# Allegro board gps_interface_boardv45ph.brd (continued)
## Routing (per net, layer and track width the routed paths; a pad name or vN(x,y) marks a point on that pad's centre or on a via; arc(x,y) is an arc through that point) (continued)
FMC.FPGA_CLK_GEN_RST*: length 57.8
  TOP w0.203: U18.5 105.79,22.94 108.86,19.86 119,19.86 123.27,15.6 123.27,9.58 125.81,7.04 142.16,7.04 144.07,5.13 144.98,5.13 145.41,5.56 v1(145.41,6.06)
  BOTTOM w0.33: J8.C26 v1(145.41,6.06)
FMC.FPGA_GPS_CLK_EN*: length 85.9
  TOP w0.203: U18.4 v1(105.14,20.24)
  SIG w0.203: v1(105.14,20.24) 105.14,14.14 107.34,11.94 107.34,4.98 110.21,2.11 152.63,2.11 157.23,6.71 163.82,6.71 v1(164.47,6.06)
  BOTTOM w0.33: J8.C11 v1(164.47,6.06)
FMC.FPGA_I2C_EXT_INT0*: length 72
  TOP w0.203: U17.13 114.58,27.33 114.22,26.97 114.22,25.83 v1(114.76,25.3)
  SIG w0.203: v1(160.66,9.18) 160.67,9.18 161.42,9.93 161.42,10.72 160.91,11.23 160.91,11.73 160.32,12.32 153.85,12.32 153.64,12.12 153.64,10.29 154.18,9.75 154.18,8.61 153.59,8.03 138.3,8.03 137.52,7.24 135.74,7.24 134.65,8.33 127.15,8.33 121.41,14.07 121.41,23.02 119.13,25.3 v1(114.76,25.3)
  BOTTOM w0.33: J8.D14 v1(160.66,9.18)
FMC.FPGA_I2C_EXT_INT1*: length 69.4
  TOP w0.203: U17.12 113.93,27.6 113.31,26.98 v1(113.31,25.3)
  SIG w0.203: v1(113.31,25.3) 113.31,25.12 114.4,24.03 118.61,24.03 120.4,22.24 120.4,14.33 126.77,7.95 134.49,7.95 135.64,6.81 137.67,6.81 138.48,7.62 153.72,7.62 154.58,8.48 154.58,9.22 157.28,11.91 159.82,11.91 160.12,11.61 160.12,10.79 159.38,10.06 v1(159.38,9.18)
  BOTTOM w0.33: 159.38,8.26 v1(159.38,9.18)
FMC.FPGA_I2C_EXT_RST*: length 74.1
  TOP w0.203: U18.6 106.44,23.74 v1(108,22.17)
  SIG w0.203: v1(155.57,6.06) 152.24,2.72 111.84,2.72 108,6.55 v1(108,22.17)
  BOTTOM w0.33: J8.C18 v1(155.57,6.06)
FMC.FPGA_I2C_SW_RST*: length 67.9
  TOP w0.203: v1(108.69,25.5) 107.29,25.5 107.09,25.7 U18.7
  SIG w0.203: v1(156.84,9.18) 156.84,8.18 156.34,7.67 155.45,7.67 154.99,7.21 138.66,7.21 137.87,6.43 135.46,6.43 134.34,7.54 126.36,7.54 119.76,14.15 119.76,17.53 119.81,17.58 119.81,22 118.36,23.44 113.13,23.44 111.07,25.5 v1(108.69,25.5)
  BOTTOM w0.33: J8.D17 v1(156.84,9.18)
FMC.FPGA_IO_VOLTAGE: length 26.7
  TOP w0.17: v1(70.31,-18.97) 70.31,-19.56 70.28,-19.59 R78.1
  TOP w0.203: v1(70.31,-18.97) 70.31,-15.7 69.68,-15.07 Q11.1 ; R78.1 71.11,-20.07 71.6,-19.58 72.67,-19.58 72.98,-19.9 U15.1 U15.6
  TOP w0.305: 127.64,15.82 129.07,17.26 C105.1 129.07,21.04 129.06,21.05 C107.1 C106.1
  TOP w0.33: v1(127.64,14.26) 127.64,15.82
  BOTTOM w0.33: v1(128.91,11.14) J8.G39 J8.H40 v1(127.64,14.26)
FMC.GPS_CLK_COPY_N: length 277.1
  TOP w0.203: U1.9 79.84,130.35 79.79,130.3 79.79,129.48 78.28,127.97 78.28,126.85 v1(78.72,126.41)
  TOP w0.33: v1(169.54,11.14) 169.54,11.76 169.91,12.13 169.91,13.83 168.63,15.11 168.63,17.96 171.04,20.37 171.04,24.05 v1(170.6,24.49)
  BOTTOM w0.33: v1(78.72,126.41) 78.72,125.79 78.35,125.42 78.35,124.75 77.7,124.1 72.59,124.1 71.65,123.17 71.65,28.19 97.61,2.24 180.59,2.24 181.74,3.38 181.74,17.36 180.5,18.59 173.26,18.59 171.04,20.81 171.04,24.05 v1(170.6,24.49) ; 169.54,12.06 v1(169.54,11.14)
FMC.GPS_CLK_COPY_P: length 278.8
  TOP w0.203: v1(77.44,126.41) 77.88,126.85 77.88,128.14 79.38,129.65 79.38,130.3 79.34,130.35 U1.8
  TOP w0.33: v1(170.81,11.14) 170.81,11.76 170.45,12.13 170.45,14.05 169.16,15.33 169.16,17.74 171.58,20.15 171.58,24.05 v1(172.02,24.49)
  BOTTOM w0.33: J8.G6 v1(170.81,11.14) ; v1(172.02,24.49) 171.58,24.05 171.58,21.03 173.48,19.13 180.72,19.13 182.27,17.58 182.27,3.16 180.81,1.7 97.39,1.7 71.12,27.97 71.12,123.39 72.36,124.64 77.48,124.64 77.81,124.97 77.81,125.42 77.44,125.79 v1(77.44,126.41)
FMC.GPS_CLK_EN*: length 120.7
  TOP w0.203: U1.12 81.34,130.14 81.76,129.72 R1.1 82.32,129.71 v1(82.32,128.6) ; U18.13 105.14,39.63 105.13,39.63 v1(105.13,39.83)
  BOTTOM w0.203: v1(82.32,128.6) 82.32,124.61 82.52,124.41 89.69,124.41 90.42,123.67 90.42,119.36 92.02,117.76 92.02,106.02 89.9,103.89 89.9,41.5 91.57,39.83 v1(105.13,39.83)
FMC.GPS_IRIGB: length 282.3
  TOP w0.17: U47.7 63.13,128.06 v1(61.93,126.85)
  SIG w0.203: v1(61.93,126.85) 61.93,115.29 31.88,85.24 31.88,83.19 30.91,82.22 30.91,79.12 33.58,76.45 54.53,76.45 56.95,78.87 86.54,78.87 94.44,70.97 94.44,30.56 95.91,29.08 118.52,29.08 121.97,25.63 121.97,17.88 127.91,11.94 133.3,11.94 134.9,10.34 134.9,8.9 135.88,7.92 137.66,7.92 138.15,8.41 153.37,8.41 153.77,8.81 153.77,9.53 153.09,10.21 153.09,12.52 153.47,12.9 164.13,12.9 164.57,12.47 164.57,10.97 165.43,10.11 165.43,8.76 164.36,7.7 158.37,7.7 157.58,8.48 157.58,9.5 157.2,9.88 156.11,9.88 155.57,9.35 v1(155.57,9.18)
  BOTTOM w0.33: J8.D18 v1(155.57,9.18)
FMC.GPS_PPS_N: length 244.1
  TOP w0.33: R14.1 39.76,126.5 R12.2 41.41,125.74 41.83,125.32 41.83,114.87 73.63,83.07 73.63,25.43 98.28,0.79 167.08,0.79 170.48,4.19 170.48,8.8 174.98,13.29 174.98,15.89 174.24,16.64 173.1,16.64 172.45,15.99 172.45,15.25 172.09,14.88 v1(172.09,14.26)
  BOTTOM w0.33: J8.H5 v1(172.09,14.26)
FMC.GPS_PPS_P: length 240.6
  TOP w0.33: R13.1 44.48,126.5 R11.2 42.78,125.74 42.36,125.32 42.36,115.09 74.17,83.29 74.17,25.65 98.5,1.32 166.86,1.32 169.95,4.41 169.95,9.02 174.45,13.51 174.45,15.67 174.02,16.1 173.32,16.1 172.99,15.77 172.99,15.25 173.35,14.88 v1(173.35,14.26)
  BOTTOM w0.33: J8.H4 v1(173.35,14.26)
FMC.GPS_SYNC_OUT_N: length 286.7
  TOP w0.33: v1(151.76,9.18) 152.77,10.19 154.09,10.19 154.76,9.52 154.76,4.17 154.12,3.53 113.18,3.53 75.41,41.3 75.41,84.67 52.58,107.5 52.58,145.75 49.87,148.46 32.38,148.46 29.84,145.93 29.84,123.38 27.93,121.46 18.11,121.46 16.53,123.04 16.53,125.29 16.09,125.74 R16.2 14.38,126.5 R18.1
  BOTTOM w0.33: 151.76,8.26 v1(151.76,9.18)
FMC.GPS_SYNC_OUT_P: length 282.6
  TOP w0.33: v1(153.03,9.18) 153.03,9.32 153.37,9.65 153.87,9.65 154.23,9.3 154.23,4.39 153.9,4.06 113.4,4.06 75.95,41.52 75.95,84.89 53.11,107.72 53.11,145.97 50.09,149 32.16,149 29.31,146.15 29.31,123.6 27.71,122 18.33,122 17.06,123.26 17.06,125.29 17.51,125.74 R15.2 18.98,126.5 19.16,126.5 R17.1
  BOTTOM w0.33: J8.D20 v1(153.03,9.18)
FMC.I2C_EXT_INT0*: length 122.2
  TOP w0.203: U17.2 114.58,33.48 114.8,33.26 116.59,33.26 116.81,33.48 v1(128.6,33.48) ; v1(221.82,10.08) 221.82,10.58 221.82,10.58 U53.1
  SIG w0.203: v1(221.82,10.08) 217.73,14.17 201.42,14.17 198.83,16.76 187.15,16.76 183.21,20.7 172.59,20.7 159.82,33.48 v1(128.6,33.48)
  BOTTOM w0.203: R251.1 221.16,9.42 v1(221.82,10.08)
FMC.I2C_EXT_INT1*: length 109.9
  TOP w0.203: v1(128.6,32.38) 114.76,32.38 113.93,33.21 U17.3 ; U52.1 v1(205.59,10.39)
  SIG w0.203: v1(205.59,10.39) 203.66,10.39 198.38,15.67 186.7,15.67 182.76,19.61 172.14,19.61 159.37,32.38 v1(128.6,32.38)
  BOTTOM w0.203: v1(204.39,5.82) 204.39,8.05 204.76,8.42 R252.1 205.82,9.12 205.59,9.35 v1(205.59,10.39)
FMC.I2C_EXT_RST*: length 153.9
  TOP w0.203: U53.3 220.23,13.24 v1(220.2,13.27) ; v1(207.65,12.88) 207.49,13.03 207.01,13.03 206.92,13.12 U52.3 ; U18.11 106.44,33.19 107.21,32.41 112.95,32.41 114.1,31.27 v1(128.6,31.27)
  SIG w0.203: v1(207.65,12.88) 207.65,10.29 206.81,9.45 201.68,9.45 199.31,11.81 199.31,13.16 197.92,14.55 186.23,14.55 182.3,18.49 171.68,18.49 158.9,31.27 v1(128.6,31.27)
  BOTTOM w0.203: v1(207.65,12.88) 207.65,10.46 207.47,10.29 R246.1 208.37,8.42 208.81,7.98 208.81,4.65 ; 208.81,4.65 v1(201.55,4.65) ; 208.81,4.65 213.72,4.65 217.41,8.34 R245.1 219.38,12.45 v1(220.2,13.27)
FMC.PG_1V8: length 13.9
  TOP w0.203: 96.47,90.5 v1(94.82,90.5)
  BOTTOM w0.203: R38.1 97.22,100.62 97.21,100.61 Q7.1 96.5,99.27 96.11,98.88 96.11,97.56 94.82,96.27 v1(94.82,90.5)
FMC.PWR_GOOD: length 188
  SIG w0.33: v1(179.25,6.17) 183.87,1.55 290.88,1.55 295.35,6.02 295.35,32.08 299.36,36.09 299.36,54.08 295.16,58.28 289.47,58.28 P2.3
  BOTTOM w0.33: 177.16,8.26 v1(179.25,6.17)
FMC.RECOV_ACLK_DATA_N: length 181.8
  TOP w0.203: U104.28 140.78,70.06 140.82,70.1 143.14,70.1 143.21,70.04 143.26,70.04
  TOP w0.33: 143.26,70.04 149.67,70.04 v1(150.11,69.6) ; v1(103.13,11.12) 102.69,10.68 102.69,8.41 108.31,2.79 166.83,2.79 168.35,4.32 168.35,5.51 166.73,7.14 163.27,7.14 161.9,8.51 161.9,11.11 v1(161.93,11.14)
  BOTTOM w0.33: J8.G13 v1(161.93,11.14) ; v1(150.11,69.6) 149.67,70.04 147.91,70.04 144.91,67.04 144.91,54.24 124.36,33.69 124.36,29.09 119.04,23.77 106.6,23.77 102.69,19.86 102.69,11.56 v1(103.13,11.12)
FMC.RECOV_ACLK_DATA_P: length 184.8
  TOP w0.203: U104.29 140.78,70.56 140.82,70.51 143.14,70.51 143.21,70.57 143.26,70.57
  TOP w0.33: v1(150.11,71.01) 149.67,70.57 143.26,70.57 ; v1(101.72,11.12) 102.16,10.68 102.16,8.19 108.08,2.26 167.05,2.26 168.88,4.1 168.88,5.73 166.95,7.67 163.49,7.67 162.43,8.73 162.43,9.78 163.19,10.54 v1(163.19,11.14)
  BOTTOM w0.33: J8.G12 v1(163.19,11.14) ; v1(150.11,71.01) 149.67,70.57 147.69,70.57 144.37,67.26 144.37,54.46 123.83,33.91 123.83,29.31 118.82,24.31 106.38,24.31 102.16,20.08 102.16,11.56 v1(101.72,11.12)
FMC.RECOV_DATA_N0: length 199.5
  TOP w0.33: v1(282.19,104.67) 282.63,105.11 282.63,107.78 282.22,108.19 282.22,110.51 282.08,110.64 J13.12
  BOTTOM w0.33: J8.H26 145.78,13.7 145.78,29.05 176.98,60.25 250.83,60.25 273.43,82.85 273.43,88.1 282.63,97.3 282.63,104.23 v1(282.19,104.67)
FMC.RECOV_DATA_N1: length 188.1
  TOP w0.33: J14.12 260.01,110.59 260.14,110.46 260.14,108.14 260.55,107.73 260.55,105.06 v1(260.11,104.62)
  BOTTOM w0.33: v1(260.11,104.62) 260.55,104.18 260.55,96.01 250.7,86.16 250.7,71.86 241.35,62.51 173.85,62.51 141.97,30.63 141.97,13.7 141.6,13.34
FMC.RECOV_DATA_N2: length 171.7
  TOP w0.33: v1(237.81,104.62) 238.25,105.06 238.25,107.73 237.84,108.14 237.84,110.46 237.71,110.59 J18.12
  BOTTOM w0.33: J8.H32 138.16,13.7 138.16,32.21 171.46,65.51 223.93,65.51 227.66,69.23 227.66,86.61 238.25,97.2 238.25,104.18 v1(237.81,104.62)
FMC.RECOV_DATA_N3: length 147.2
  TOP w0.33: v1(208.58,104.62) 209.02,105.06 209.02,107.73 208.61,108.14 208.61,110.46 208.47,110.59 J19.12
  BOTTOM w0.33: J8.H35 134.35,13.7 134.35,33.79 168.87,68.3 197.54,68.3 197.87,68.63 197.87,84.71 209.02,95.86 209.02,104.18 208.7,104.5 v1(208.58,104.62)
FMC.RECOV_DATA_N4: length 128.7
  TOP w0.33: v1(186.28,104.62) 186.72,105.06 186.72,107.73 186.31,108.14 186.31,110.46 186.17,110.59 J20.12
  BOTTOM w0.33: v1(186.28,104.62) 186.72,104.18 186.72,95.14 176.05,84.47 176.05,70.76 175.72,70.43 165.61,70.43 130.54,35.37 130.54,13.7 J8.H38
FMC.RECOV_DATA_N5: length 116.7
  TOP w0.33: v1(131.44,11.14) 131.44,11.76 131.81,12.13 131.81,13.38 130.81,14.38 130.81,47.11 153.16,69.46 153.16,83.91 164.59,95.34 164.59,108.33 164.18,108.74 164.18,110.46 164.05,110.59 J21.12
  BOTTOM w0.33: J8.G37 v1(131.44,11.14)
FMC.RECOV_DATA_P0: length 199.5
  TOP w0.33: v1(283.6,104.67) 283.16,105.11 283.16,108 282.75,108.41 282.75,110.51 282.88,110.64 J13.13
  BOTTOM w0.33: J8.H25 146.32,13.7 146.32,28.83 177.2,59.72 251.05,59.72 273.96,82.63 273.96,87.88 283.16,97.08 283.16,104.23 v1(283.6,104.67)
FMC.RECOV_DATA_P1: length 188.1
  TOP w0.33: J14.13 260.81,110.59 260.68,110.46 260.68,108.36 261.09,107.95 261.09,105.06 v1(261.53,104.62)
  BOTTOM w0.33: J8.H28 142.51,13.7 142.51,30.41 174.07,61.98 241.57,61.98 251.23,71.64 251.23,85.94 261.09,95.79 261.09,104.18 v1(261.53,104.62)
FMC.RECOV_DATA_P2: length 171.7
  TOP w0.33: v1(239.23,104.62) 238.79,105.06 238.79,107.95 238.38,108.36 238.38,110.46 238.51,110.59 J18.13
  BOTTOM w0.33: v1(239.23,104.62) 238.79,104.18 238.79,96.98 228.19,86.39 228.19,69.01 224.16,64.97 171.68,64.97 138.7,31.99 138.7,13.7 J8.H31
FMC.RECOV_DATA_P3: length 147.2
  TOP w0.33: J19.13 209.27,110.59 209.14,110.46 209.14,108.36 209.55,107.95 209.55,105.06 v1(209.99,104.62)
  BOTTOM w0.33: v1(209.99,104.62) 209.55,104.18 209.55,95.64 198.4,84.49 198.4,68.41 197.76,67.77 169.09,67.77 134.89,33.57 134.89,13.7 J8.H34
FMC.RECOV_DATA_P4: length 128.7
  TOP w0.33: v1(187.69,104.62) 187.25,105.06 187.25,107.95 186.84,108.36 186.84,110.46 186.97,110.59 J20.13
  BOTTOM w0.33: J8.H37 131.08,13.7 131.08,35.14 165.83,69.9 175.94,69.9 176.58,70.54 176.58,84.25 187.25,94.92 187.25,104.18 v1(187.69,104.62)
FMC.RECOV_DATA_P5: length 116.7
  TOP w0.33: v1(132.72,11.14) 132.72,11.76 132.35,12.13 132.35,13.6 131.34,14.61 131.34,46.89 153.7,69.24 153.7,83.69 165.13,95.12 165.13,108.55 164.72,108.96 164.72,110.46 164.85,110.59 J21.13
  BOTTOM w0.33: J8.G36 v1(132.72,11.14)
FMC.SCL0: length 261.7
  TOP w0.203: v1(68.2,69.47) 66.65,69.47 66.03,68.85 U10.6 ; U19.5 87.14,111.29 83.41,115.01 80.19,115.01 TP45.1 v1(68.22,116.76) ; U8.6 v1(30.25,60.68) ; U48.16 110.26,74.77 v1(108.81,73.33) ; U52.22 197.57,13.12 196.52,12.06 196.52,8.64 198.3,6.86 217.3,6.86 219.15,8.71 219.15,11.91 217.81,13.26 215.94,13.26 U53.22 ; v1(30.25,82.93) 18.34,82.93 17.2,84.07 17.2,88.7 16.74,89.15 U46.2 ; U13.6 v1(68.2,42.75)
  SIG w0.203: v1(30.25,82.93) v1(30.25,60.68) 31.26,59.66 67.39,59.66 68.2,60.48 v1(68.2,69.47)
  BOTTOM w0.203: v1(108.81,65.58) v1(108.81,73.33) ; v1(68.22,116.76) 68.22,116.27 68.2,116.24 v1(68.2,69.47) v1(68.2,42.75) ; TP45.1 78.44,118.44 78.08,118.8 R90.2
FMC.SCL1: length 25.5
  TOP w0.203: J13.5 284.88,119.1 284.89,119.1 v1(284.89,118.85) ; U19.7 86,109.99 84.51,111.48 80.21,111.48 TP43.1
  BOTTOM w0.203: R88.2 76.53,114.07 77.37,113.23 TP43.1
FMC.SCL2: length 29.3
  TOP w0.203: TP41.1 80.26,107.92 84.63,107.92 85.4,108.69 U19.9 ; J14.5 262.81,119.05 262.81,119.05 v1(262.81,118.8)
  BOTTOM w0.203: TP41.1 77.43,109.7 76.76,110.38 76.76,112.17 75.03,113.89 R86.2
FMC.SCL3: length 36.9
  TOP w0.203: v1(240.51,118.8) 240.51,119.05 240.51,119.05 J18.5 ; U19.11 87.22,107.39 84.18,104.34 80.31,104.34 TP39.1
  BOTTOM w0.203: R84.2 73.51,118.67 72.49,117.65 72.49,108.33 73.15,107.67 76.99,107.67 TP39.1
FMC.SCL4: length 1.5
  TOP w0.203: J19.5 211.27,119.05 211.28,119.05 v1(211.28,118.8)
FMC.SCL5: length 1.5
  TOP w0.203: J20.5 188.97,119.05 188.98,119.05 v1(188.98,118.8)
FMC.SCL6: length 13.6
  TOP w0.203: v1(166.85,118.8) 166.85,119.05 166.85,119.05 J21.5
  SIG w0.203: 155.17,117.73 164.47,117.73 165.53,118.8 v1(166.85,118.8)
FMC.SCL_FPGA: length 71.8
  SIG w0.203: v1(140.34,6.06) 140.34,4.07 139.64,3.38 112.96,3.38 109.08,7.26 109.08,22.23 103.48,27.84 90.6,27.84
  BOTTOM w0.33: J8.C30 v1(140.34,6.06)
FMC.SDA0: length 260.6
  TOP w0.203: U8.8 U8.7 28.58,61.58 28.59,61.57 v1(29.08,61.57) ; U48.18 111.51,76.15 v1(111.86,76.5) ; v1(69.32,70.43) 66.7,70.43 66.02,69.75 U10.7 U10.8 ; U19.4 91.62,111.94 91.59,111.91 87.31,111.91 84.96,114.26 84.96,116.1 84.3,116.76 TP44.1 80.01,118.77 70.31,118.77 v1(69.32,117.78) ; U52.23 197.86,12.47 197.05,11.66 197.05,9.04 198.65,7.44 210.85,7.44 212.6,9.19 212.6,10.95 214.24,12.59 U53.23 ; U46.1 17.2,90.42 17.98,89.64 17.98,84.73 18.77,83.95 v1(29.08,83.95) ; U13.8 U13.7 68.7,43.65 68.71,43.64 v1(69.32,43.64)
  SIG w0.203: v1(69.32,70.43) 69.32,60.53 67.78,58.99 30.52,58.99 29.08,60.43 v1(29.08,61.57) v1(29.08,83.95)
  BOTTOM w0.203: v1(69.32,43.64) v1(69.32,70.43) v1(69.32,117.78) ; R89.2 84.33,119.08 TP44.1 ; v1(109.7,66.4) 109.7,74.35 v1(111.86,76.5)
FMC.SDA1: length 21.9
  TOP w0.203: U19.6 86.64,110.64 84.05,113.23 TP42.1 ; v1(285.68,121.92) J13.4
  BOTTOM w0.203: R87.2 85.8,119.28 84.15,117.63 84.15,115.37 TP42.1
FMC.SDA2: length 25.1
  TOP w0.203: U19.8 85.43,109.34 85.06,109.7 TP40.1 ; v1(263.61,121.87) J14.4
  BOTTOM w0.203: TP40.1 84.94,112.62 84.94,116.84 87.25,119.15 R85.2
FMC.SDA3: length 29.9
  TOP w0.203: v1(241.31,121.87) J18.4 ; TP38.1 84.58,106.17 86.45,108.04 U19.10
  BOTTOM w0.203: TP38.1 85.75,109.91 85.75,116.51 88.72,119.48 R83.2
FMC.SDA4: length 1.6
  TOP w0.203: v1(212.07,121.87) J19.4
FMC.SDA5: length 1.6
  TOP w0.203: v1(189.77,121.87) J20.4
FMC.SDA6: length 17.3
  TOP w0.203: v1(167.65,121.87) J21.4
  SIG w0.203: v1(167.65,121.87) 167.65,121.19 166.55,120.09 163.78,120.09 162.97,120.9 162.97,122.96 160.6,125.32 158.29,125.32 156.97,126.64
FMC.SDA_FPGA: length 69.7
  SIG w0.203: 90.6,28.45 104.29,28.45 109.98,22.76 109.98,8.15 114.1,4.04 138.51,4.04 139.06,4.6 v1(139.06,6.06)
  BOTTOM w0.33: J8.C31 v1(139.06,6.06)
FMC.SFP_TX_DISABLE0: length 13
  TOP w0.203: J13.3 v1(286.48,118.88) ; U52.13 v1(199.69,30.56)
FMC.SFP_TX_DISABLE1: length 14.8
  TOP w0.203: v1(198.5,30.56) 198.5,18.52 198.7,18.32 U52.14 ; J14.3 v1(264.41,118.82)
FMC.SFP_TX_DISABLE2: length 16.5
  TOP w0.203: J18.3 v1(242.11,118.82) ; U52.15 197.7,17.67 197.23,18.14 v1(197.23,30.56)
FMC.SFP_TX_DISABLE3: length 18.2
  TOP w0.203: J19.3 v1(212.87,118.82) ; v1(196.01,30.58) 196.01,17.93 196.93,17.02 U52.16
FMC.SFP_TX_DISABLE4: length 20
  TOP w0.203: U52.17 198.67,16.37 198.65,16.38 195.58,16.38 194.89,17.07 v1(194.89,30.56) ; J20.3 v1(190.57,118.82)
FMC.SFP_TX_DISABLE5: length 22.1
  TOP w0.203: J21.3 v1(168.45,118.82) ; v1(193.78,30.53) 193.78,15.92 193.98,15.72 U52.18
FMC.SPARE_BNC_0: length 228.4
  TOP w0.203: TP82.1 289.84,34.13 289.84,25.83
  SIG w0.203: TP82.1 288.54,31.98 285.6,29.03 249.5,29.03 248.33,30.2 245.97,30.2 242.57,26.8 167.87,26.8 160.5,34.16 127.38,34.16 127.18,33.96 127.18,30.84 128.42,29.59 146.84,29.59 149.78,26.64 149.78,9.74 v1(149.22,9.18)
  BOTTOM w0.33: J8.D23 v1(149.22,9.18)
FMC.SPARE_BNC_1: length 234.2
  TOP w0.203: TP83.1 290.34,34.64 290.34,25.83
  SIG w0.203: TP83.1 290.65,35.97 289.46,37.16 287.48,37.16 286.56,36.25 286.56,30.81 285.29,29.54 249.71,29.54 248.54,30.71 245.76,30.71 242.36,27.3 168.18,27.3 160.8,34.68 126.94,34.68 126.52,34.26 126.52,30.58 128.24,28.85 146.48,28.85 148.97,26.37 148.97,10.2 v1(147.96,9.18)
  BOTTOM w0.33: J8.D24 v1(147.96,9.18)
FMC.SPARE_LEMO_0: length 210.9
  TOP w0.203: 282.83,25.86 IC1.7 282.83,29.94 TP84.1
  SIG w0.203: v1(145.41,9.18) 146,9.77 146,26.19 144.25,27.94 128.14,27.94 125.86,30.23 125.86,34.44 126.59,35.18 161,35.18 168.29,27.89 242.12,27.89 245.52,31.29 248.59,31.29 249.03,31.73 281.04,31.73 TP84.1
  BOTTOM w0.33: J8.D26 v1(145.41,9.18)
FMC.SPARE_LEMO_1: length 214.5
  TOP w0.203: 283.33,25.86 IC1.6 283.33,29.97 TP85.1
  SIG w0.203: v1(144.15,9.18) 145.11,10.15 145.11,24.59 142.85,26.85 128.19,26.85 125.22,29.82 125.22,34.44 126.47,35.69 161.11,35.69 168.35,28.45 241.88,28.45 245.29,31.85 248.31,31.85 249.02,32.56 283.29,32.56 TP85.1
  BOTTOM w0.33: J8.D27 v1(144.15,9.18)
FMC.SPARE_RJ45_0_N: length 133.9
  TOP w0.33: J17.P3 246.99,19.12 246.99,20.57 246.62,20.95 246.62,24.33 v1(247.06,24.77) 246.62,25.2 246.62,27.77 235.53,38.86 175.12,38.86 167.16,30.9 167.16,14.48 168.05,13.59 168.05,10.54 167,9.5 v1(167,9.18)
  BOTTOM w0.33: U5.3 245.53,28.32 245.14,27.93 244.08,27.93 243.43,27.28 243.43,22.99 244.08,22.35 245.97,22.35 246.62,22.99 246.62,24.33 v1(247.06,24.77) ; J8.D9 v1(167,9.18)
FMC.SPARE_RJ45_0_P: length 131.5
  TOP w0.33: v1(168.28,9.18) 168.35,9.26 168.35,10.09 168.58,10.32 168.58,13.81 167.69,14.7 167.69,30.68 175.34,38.33 235.31,38.33 246.08,27.55 246.08,25.2 v1(245.64,24.77) 246.08,24.33 246.08,20.73 246.46,20.35 246.46,16.15 J17.P2
  BOTTOM w0.33: J8.D8 v1(168.28,9.18) ; v1(245.64,24.77) 246.08,24.33 246.08,23.22 245.75,22.89 244.3,22.89 243.97,23.22 243.97,27.06 244.3,27.39 245.14,27.39 245.53,27 U5.1
FMC.SPARE_RJ45_1_N: length 143.2
  TOP w0.33: v1(163.19,9.18) 163.19,9.35 164.26,10.41 164.26,12.96 163.37,13.85 163.37,32.82 171.48,40.92 239.09,40.92 249.44,30.57 249.44,25.2 v1(249.88,24.77) 249.44,24.33 249.44,20.67 249.53,20.57 249.53,19.12 J17.P5
  BOTTOM w0.33: v1(249.88,24.77) 249.45,24.34 249.45,23.16 249.8,22.81 250.55,22.81 251.38,23.63 251.38,27.06 251.05,27.39 248.89,27.39 248.5,27 U5.6 ; J8.D12 v1(163.19,9.18)
FMC.SPARE_RJ45_1_P: length 146.1
  TOP w0.33: v1(164.47,9.18) 164.47,9.86 164.8,10.19 164.8,13.18 163.91,14.07 163.91,32.6 171.7,40.39 238.87,40.39 248.9,30.35 248.9,25.2 v1(248.46,24.77) 248.9,24.33 248.9,20.45 249,20.35 249,16.15 J17.P4
  BOTTOM w0.33: J8.D11 v1(164.47,9.18) ; U5.4 248.5,28.32 248.89,27.93 251.27,27.93 251.91,27.28 251.91,23.41 250.77,22.28 249.58,22.28 248.92,22.94 248.92,24.31 v1(248.46,24.77)
FMC.SPARE_RJ45_LED_0: length 302.8
  TOP w0.203: v1(238.04,4.56) Q10.1
  SIG w0.203: v1(140.34,11.14) 140.34,13.67 141.58,14.91 141.58,23.39 139.57,25.4 127.2,25.4 124.61,27.99 124.61,34.85 126.11,36.35 126.16,36.35 126.22,36.41 161.21,36.41 168.64,28.97 241.67,28.97 245.05,32.35 247.62,32.35 248.53,33.27 277.64,33.27 282.04,37.67 292.89,37.67 294.41,36.14 294.41,20.52 291.57,17.68 272.97,17.68 271.75,18.9 261.57,18.9 256.01,13.34 245.24,13.34 243.94,14.63 241.96,14.63 238.02,10.69 238.02,4.58 v1(238.04,4.56)
  BOTTOM w0.33: J8.G30 v1(140.34,11.14)
FMC.SPARE_RJ45_LED_1: length 271.2
  TOP w0.203: v1(261.59,14.5) 262.14,14.5 262.15,14.51 Q14.1
  SIG w0.203: v1(139.06,11.14) 139.06,22.4 137.13,24.33 127,24.33 123.95,27.38 123.95,34.85 126.01,36.91 161.54,36.91 168.88,29.57 241.43,29.57 244.81,32.94 247.37,32.94 248.28,33.86 277.39,33.86 281.66,38.13 293.27,38.13 294.87,36.53 294.87,20.33 291.76,17.22 272.78,17.22 271.57,18.44 263.98,18.44 263.78,18.24 263.78,16.69 v1(261.59,14.5)
  BOTTOM w0.33: J8.G31 v1(139.06,11.14)
FMC.TEMP_INTR*: length 202.6
  TOP w0.203: v1(31.67,81.79) 13.06,81.79 12.24,82.6 12.24,87.1 13.03,87.88 U46.3
  SIG w0.203: v1(144.15,11.14) 144.08,11.07 142.27,11.07 141.63,10.44 138.58,10.44 138.13,10.9 138.13,11.48 136.93,12.67 128.14,12.67 122.53,18.29 122.53,26.62 119.53,29.62 96.77,29.62 95.28,31.11 95.28,71.02 86.72,79.58 55.63,79.58 53.7,77.65 33.43,77.65 31.67,79.4 v1(31.67,81.79)
  BOTTOM w0.17: J8.G27 v1(144.15,11.14)
FPGA_3V3: length 24.6
  BOTTOM w0.17: J8.C39 v1(128.91,6.06)
  BOTTOM w0.305: C103.1 C104.1 C102.1
  BOTTOM w0.381: J8.D36 v1(132.72,9.18) 132.7,9.19 ; 131.11,9.19 127.65,9.19 v1(127.64,9.18) J8.D40 ; 131.11,9.19 132.7,9.19 ; 131.11,9.19 J8.D38 J8.C39 ; J8.D32 v1(137.79,9.18) 137.78,9.19 132.7,9.19
FPGA_12V: length 35.1
  TOP w0.33: v1(133.99,6.06) 133.99,5.11 133.75,4.88 131.8,4.88 131.44,5.23 131.44,5.26 ; v1(120.98,13.77) 120.98,7.97 124.08,4.88 131.06,4.88 131.44,5.26 ; 131.44,5.26 v1(131.44,6.06)
  BOTTOM w0.305: v1(120.98,13.77) C98.1 C99.1 C97.1
  BOTTOM w0.381: J8.C37 v1(131.44,6.06) ; J8.C35 v1(133.99,6.06)
GPS_CLK_IN: length 3.1
  BOTTOM w0.165: R2.1 92.1,137.59 92.71,138.2 J1.1
GPS_GROUP.GPS_CLK_N: length 73.2
  TOP w0.203: v1(79.88,127.38) 80.31,127.82 80.31,130.3 80.34,130.32 U1.10
  TOP w0.33: C39.1 109.65,89.23 109.92,89.5 109.92,94.29 111.96,96.33 111.96,118.14 111.26,118.85 98.57,118.85 97.12,117.4 86.98,117.4 80.32,124.06 80.32,126.94 v1(79.88,127.38)
GPS_GROUP.GPS_CLK_P: length 73.2
  TOP w0.203: v1(81.29,127.38) 80.86,127.82 80.86,130.3 80.84,130.32 U1.11
  TOP w0.33: v1(81.29,127.38) 80.85,126.94 80.85,124.28 87.2,117.93 96.9,117.93 98.35,119.38 111.48,119.38 112.5,118.36 112.5,96.11 110.45,94.07 110.45,89.5 110.72,89.23 C38.1
GPS_IRIGB_IN: length 9.5
  TOP w0.203: J4.1 R264.1 63.73,137.06 63.13,136.46 U47.2
GPS_PPS_IN: length 6.3
  TOP w0.203: J5.1 R267.1 41.91,134.34 41.9,134.32 U2.3
GPS_SYNC_IN: length 6.3
  TOP w0.203: J6.1 R268.1 16.51,134.31 16.52,134.3 U3.3
I2C_SW_RST*: length 98.9
  TOP w0.203: U19.3 v1(88.57,112.59) ; v1(107.07,38.26) 107.07,35.44 107.09,35.43 U18.10
  BOTTOM w0.203: v1(88.57,112.59) 88.57,100.08 89.03,99.62 89.03,96.2 89.04,96.19 89.04,40.73 91.51,38.26 v1(107.07,38.26)
INTVCC_2V5: length 10.3
  TOP w0.203: R60.1 53.28,42.04 52.91,42.42 52.91,45.47 53.37,45.92 v1(54.05,45.92) ; v1(54.05,45.92) R59.1 ; v1(54.05,45.92) 54.79,45.92 55.57,45.14 U13.1
  BOTTOM w0.203: v1(54.05,45.92) C86.1
INTVCC_3V3: length 5.5
  TOP w0.203: U10.1 63.51,66.18 63.61,66.08 R55.1 63.11,64.95 63.08,64.92 62.46,64.92 v1(61.9,65.48)
  BOTTOM w0.203: v1(61.9,65.48) 62.46,64.92 C74.1
INTVCC_5V: length 4.6
  TOP w0.203: R48.1 v1(22.61,63.86) 23.34,63.86 24.13,63.07 U8.1
  BOTTOM w0.203: v1(22.61,63.86) C59.1
LED_0: length 7.8
  TOP w0.305: Q10.2 239.71,6.46 240.63,5.54 J17.P11
LED_1: length 11.2
  TOP w0.305: Q14.2 262.43,12.61 261.82,12 261.82,7.7 259.67,5.54 J17.P14
LEMO_DIR: length 17
  TOP w0.203: 283.83,25.86 285.14,25.86 v1(285.72,25.27) ; J12.2 J11.2
  BOTTOM w0.203: v1(285.72,25.27) 277.04,25.27 J12.2
MOD_ABS_SFP INTERFACE_ACLK SFP: length 2.9
  TOP w0.203: J30.6 136.81,121.77 137.02,121.97 v1(137.07,121.97)
  BOTTOM w0.203: R2679.2 136.93,122.11 v1(137.07,121.97)
MOD_ABS_SFP INTERFACE_SFP1: length 2.9
  TOP w0.203: v1(284.34,122.02) 284.29,122.02 284.08,121.82 J13.6
  BOTTOM w0.203: v1(284.34,122.02) 284.2,122.16 R127.2 284.2,123.07
MOD_ABS_SFP INTERFACE_SFP2: length 2.9
  TOP w0.203: v1(262.26,121.97) 262.21,121.97 262.01,121.77 J14.6
  BOTTOM w0.203: v1(262.26,121.97) 262.13,122.11 R148.2
MOD_ABS_SFP INTERFACE_SFP3: length 2.9
  TOP w0.203: v1(239.96,121.97) 239.91,121.97 239.71,121.77 J18.6
  BOTTOM w0.203: R169.2 239.83,122.11 v1(239.96,121.97)
MOD_ABS_SFP INTERFACE_SFP4: length 2.9
  TOP w0.203: v1(210.73,121.97) 210.68,121.97 210.47,121.77 J19.6
  BOTTOM w0.203: v1(210.73,121.97) 210.59,122.11 R190.2
MOD_ABS_SFP INTERFACE_SFP5: length 2.9
  TOP w0.203: v1(188.43,121.97) 188.38,121.97 188.17,121.77 J20.6
  BOTTOM w0.203: v1(188.43,121.97) 188.29,122.11 R211.2
MOD_ABS_SFP INTERFACE_SFP6: length 2.9
  TOP w0.203: J21.6 166.05,121.77 166.25,121.97 v1(166.3,121.97)
  BOTTOM w0.203: R232.2 166.17,122.11 v1(166.3,121.97)
N04910_SFP INTERFACE_SFP1: length 4.2
  TOP w0.165: v1(279.65,82.88) 280.05,83.27 U22.4 ; v1(279.65,85.06) 279.96,84.76 280.5,84.76 U22.1
  BOTTOM w0.165: v1(279.65,82.88) v1(279.65,85.06)
N04910_SFP INTERFACE_SFP2: length 4.2
  TOP w0.165: U26.4 257.97,83.37 v1(257.58,82.98) ; v1(257.58,85.17) 257.89,84.86 258.43,84.86 U26.1
  BOTTOM w0.165: v1(257.58,82.98) v1(257.58,85.17)
